# KiCad board UNI_i3.kicad_pcb
title: zensai65_UNI_i3; rev: v3; company: shoonie
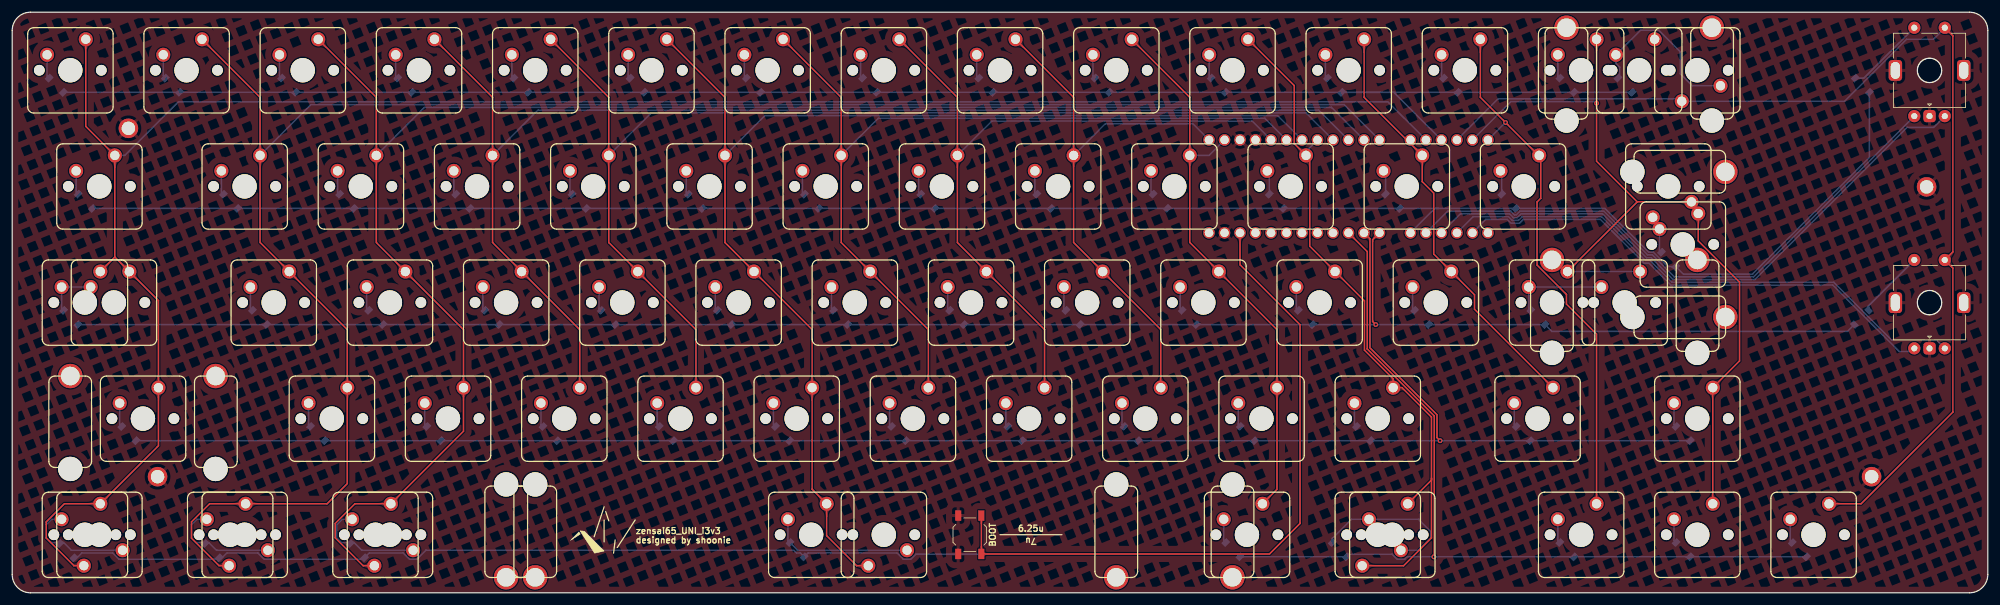
[diagram p0: board, top side]
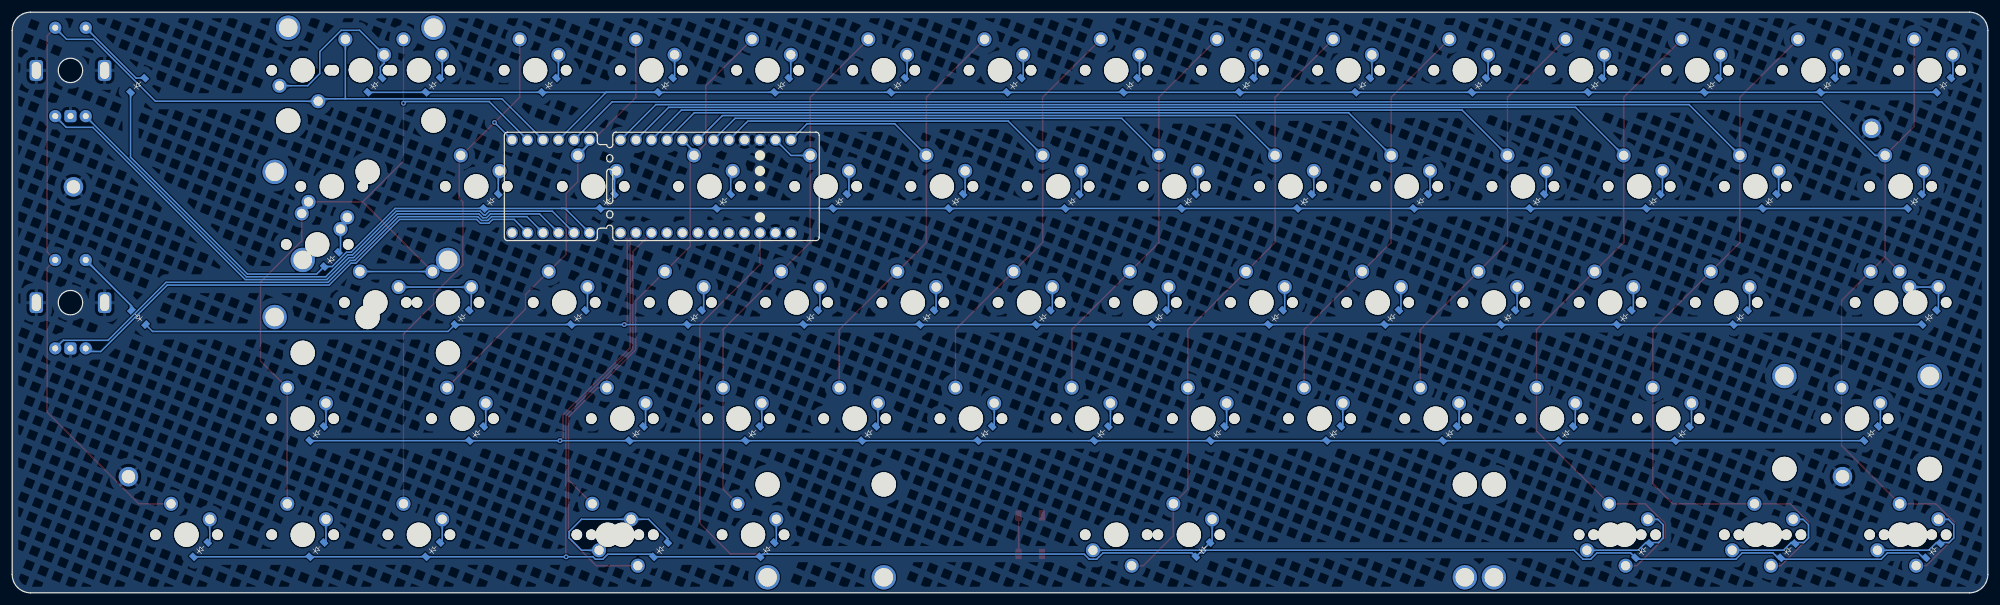
[diagram p1: board, bottom side, seen from below]

Outline 323.85 x 95.25 mm; copper layers: Top, Bottom. Coordinates in mm from the lower left corner of the outline.
Outline path: circle c314.3,85.7 r2 ; circle c314.3,47.6 r2 ; 0,92.25 0,3 arc(0.88,0.88) 3,0 320.85,0 arc(322.97,0.88) 323.85,3 323.85,92.25 arc(322.97,94.37) 320.85,95.25 3,95.25 arc(0.88,94.37) 0,92.25
Stack: Top 0.035mm / dielectric 1.51mm FR4 er 4.5 / Bottom 0.035mm

## Placement (name value [footprint] x y rotation side)
BOOT  SW_Push_45deg  [SW_SPST_TL3342]  156.97 9.53 270 top
D1  D_Small  [D_SOD-123_CLEAN]  7.14 83.34 315 bottom
D2  D_Small  [D_SOD-123_CLEAN]  26.19 83.34 315 bottom
D3  D_Small  [D_SOD-123_CLEAN]  45.24 83.34 315 bottom
D4  D_Small  [D_SOD-123_CLEAN]  64.29 83.34 315 bottom
D5  D_Small  [D_SOD-123_CLEAN]  83.34 83.34 315 bottom
D6  D_Small  [D_SOD-123_CLEAN]  102.39 83.34 315 bottom
D7  D_Small  [D_SOD-123_CLEAN]  121.44 83.34 315 bottom
D8  D_Small  [D_SOD-123_CLEAN]  140.49 83.34 315 bottom
D9  D_Small  [D_SOD-123_CLEAN]  159.54 83.34 315 bottom
D10  D_Small  [D_SOD-123_CLEAN]  178.59 83.34 315 bottom
D11  D_Small  [D_SOD-123_CLEAN]  197.64 83.34 315 bottom
D12  D_Small  [D_SOD-123_CLEAN]  216.69 83.34 315 bottom
D13  D_Small  [D_SOD-123_CLEAN]  235.74 83.34 315 bottom
D14  D_Small  [D_SOD-123_CLEAN]  254.79 83.34 315 bottom
D15  D_Small  [D_SOD-123_CLEAN]  264.32 83.34 315 bottom
D17  D_Small  [D_SOD-123_CLEAN]  11.91 64.29 315 bottom
D18  D_Small  [D_SOD-123_CLEAN]  35.72 64.29 315 bottom
D19  D_Small  [D_SOD-123_CLEAN]  54.77 64.29 315 bottom
D20  D_Small  [D_SOD-123_CLEAN]  73.82 64.29 315 bottom
D21  D_Small  [D_SOD-123_CLEAN]  92.87 64.29 315 bottom
D22  D_Small  [D_SOD-123_CLEAN]  111.92 64.29 315 bottom
D23  D_Small  [D_SOD-123_CLEAN]  130.97 64.29 315 bottom
D24  D_Small  [D_SOD-123_CLEAN]  150.02 64.29 315 bottom
D25  D_Small  [D_SOD-123_CLEAN]  169.07 64.29 315 bottom
D26  D_Small  [D_SOD-123_CLEAN]  188.12 64.29 315 bottom
D27  D_Small  [D_SOD-123_CLEAN]  207.17 64.29 315 bottom
D28  D_Small  [D_SOD-123_CLEAN]  226.22 64.29 315 bottom
D29  D_Small  [D_SOD-123_CLEAN]  245.27 64.29 315 bottom
D31  D_Small  [D_SOD-123_CLEAN]  271.46 54.77 315 bottom
D32  D_Small  [D_SOD-123_CLEAN]  303.21 83.34 315 bottom
D33  D_Small  [D_SOD-123_CLEAN]  9.53 45.24 315 bottom
D35  D_Small  [D_SOD-123_CLEAN]  40.48 45.24 315 bottom
D36  D_Small  [D_SOD-123_CLEAN]  59.53 45.24 315 bottom
D37  D_Small  [D_SOD-123_CLEAN]  78.58 45.24 315 bottom
D38  D_Small  [D_SOD-123_CLEAN]  97.63 45.24 315 bottom
D39  D_Small  [D_SOD-123_CLEAN]  116.68 45.24 315 bottom
D40  D_Small  [D_SOD-123_CLEAN]  135.73 45.24 315 bottom
D41  D_Small  [D_SOD-123_CLEAN]  154.78 45.24 315 bottom
D42  D_Small  [D_SOD-123_CLEAN]  173.83 45.24 315 bottom
D43  D_Small  [D_SOD-123_CLEAN]  192.88 45.24 315 bottom
D44  D_Small  [D_SOD-123_CLEAN]  211.93 45.24 315 bottom
D45  D_Small  [D_SOD-123_CLEAN]  230.98 45.24 315 bottom
D46  D_Small  [D_SOD-123_CLEAN]  250.03 45.24 315 bottom
D48  D_Small  [D_SOD-123_CLEAN]  303.21 45.24 225 bottom
D49  D_Small  [D_SOD-123_CLEAN]  19.05 26.19 315 bottom
D50  D_Small  [D_SOD-123_CLEAN]  50.01 26.19 315 bottom
D51  D_Small  [D_SOD-123_CLEAN]  69.06 26.19 315 bottom
D52  D_Small  [D_SOD-123_CLEAN]  88.11 26.19 315 bottom
D53  D_Small  [D_SOD-123_CLEAN]  107.16 26.19 315 bottom
D54  D_Small  [D_SOD-123_CLEAN]  126.21 26.19 315 bottom
D55  D_Small  [D_SOD-123_CLEAN]  145.26 26.19 315 bottom
D56  D_Small  [D_SOD-123_CLEAN]  164.31 26.19 315 bottom
D57  D_Small  [D_SOD-123_CLEAN]  183.36 26.19 315 bottom
D58  D_Small  [D_SOD-123_CLEAN]  202.41 26.19 315 bottom
D59  D_Small  [D_SOD-123_CLEAN]  221.46 26.19 315 bottom
D60  D_Small  [D_SOD-123_CLEAN]  247.65 26.19 315 bottom
D61  D_Small  [D_SOD-123_CLEAN]  273.84 26.19 315 bottom
D62  D_Small  [D_SOD-123_CLEAN]  8.89 6.98 315 bottom
D64  D_Small  [D_SOD-123_CLEAN]  32.7 6.98 315 bottom
D66  D_Small  [D_SOD-123_CLEAN]  56.52 6.98 315 bottom
D68  D_Small  [D_SOD-123_CLEAN]  128.59 7.14 315 bottom
D70  D_Small  [D_SOD-123_CLEAN]  200.03 7.14 315 bottom
D72  D_Small  [D_SOD-123_CLEAN]  217.49 7.14 315 bottom
D73  D_Small  [D_SOD-123_CLEAN]  254.79 7.14 315 bottom
D74  D_Small  [D_SOD-123_CLEAN]  273.84 7.14 315 bottom
D75  D_Small  [D_SOD-123_CLEAN]  292.89 7.14 315 bottom
H1  MountingHole_Pad  [MountingHole_2.2mm_M2_Pad_MOD]  19.05 76.2 0 top
H2  MountingHole_Pad  [MountingHole_2.2mm_M2_Pad_MOD]  23.83 19.05 0 top
H3  MountingHole_Pad  [MountingHole_2.2mm_M2_Pad_MOD]  313.81 66.6 0 top
H4  MountingHole_Pad  [MountingHole_2.2mm_M2_Pad_MOD]  304.8 19.05 0 top
REF**  -  [bottom_row_guide]  167.01 9.53 0 top
REF**#2  -  [info]  102.11 9.4 0 top
S15  MX_stab  [STAB_MX_P_2u]  266.7 85.72 0 top
S31  MX_stab  [STAB_MX_P_2u]  273.84 57.15 270 top
S47  MX_stab  [STAB_MX_P_2u]  264.32 47.62 0 top
S49  MX_stab  [STAB_MX_P_2u]  21.43 28.58 0 top
S68  MX_stab  [STAB_MX_P_6.25u]  130.97 9.53 180 top
S69  MX_stab  [STAB_MX_P_7u]  142.88 9.53 180 top
SW1  MX_SW_solder  [SW_MX_1u]  9.53 85.72 0 top
SW2  MX_SW_solder  [SW_MX_1u]  28.58 85.72 0 top
SW3  MX_SW_solder  [SW_MX_1u]  47.63 85.72 0 top
SW4  MX_SW_solder  [SW_MX_1u]  66.68 85.72 0 top
SW5  MX_SW_solder  [SW_MX_1u]  85.73 85.72 0 top
SW6  MX_SW_solder  [SW_MX_1u]  104.78 85.72 0 top
SW7  MX_SW_solder  [SW_MX_1u]  123.83 85.72 0 top
SW8  MX_SW_solder  [SW_MX_1u]  142.88 85.72 0 top
SW9  MX_SW_solder  [SW_MX_1u]  161.93 85.72 0 top
SW10  MX_SW_solder  [SW_MX_1u]  180.98 85.72 0 top
SW11  MX_SW_solder  [SW_MX_1u]  200.03 85.72 0 top
SW12  MX_SW_solder  [SW_MX_1u]  219.08 85.72 0 top
SW13  MX_SW_solder  [SW_MX_1u]  238.13 85.72 0 top
SW14  MX_SW_solder  [SW_MX_1u]  257.18 85.72 0 top
SW15  MX_SW_solder  [SW_MX_1u]  266.7 85.72 0 top
SW16  MX_SW_solder  [SW_MX_1u]  276.23 85.72 180 top
SW17  MX_SW_solder  [SW_MX_1u]  14.29 66.67 0 top
SW18  MX_SW_solder  [SW_MX_1u]  38.1 66.67 0 top
SW19  MX_SW_solder  [SW_MX_1u]  57.15 66.67 0 top
SW20  MX_SW_solder  [SW_MX_1u]  76.2 66.67 0 top
SW21  MX_SW_solder  [SW_MX_1u]  95.25 66.67 0 top
SW22  MX_SW_solder  [SW_MX_1u]  114.3 66.67 0 top
SW23  MX_SW_solder  [SW_MX_1u]  133.35 66.67 0 top
SW24  MX_SW_solder  [SW_MX_1u]  152.4 66.67 0 top
SW25  MX_SW_solder  [SW_MX_1u]  171.45 66.67 0 top
SW26  MX_SW_solder  [SW_MX_1u]  190.5 66.67 0 top
SW27  MX_SW_solder  [SW_MX_1u]  209.55 66.67 0 top
SW28  MX_SW_solder  [SW_MX_1u]  228.6 66.67 0 top
SW29  MX_SW_solder  [SW_MX_1u]  247.78 66.67 0 top
SW30  MX_SW_solder  [SW_MX_1u]  271.46 66.67 180 top
SW31  MX_SW_solder  [SW_MX_1u]  273.84 57.15 0 top
SW32  RotaryEncoder_Switch  [ROT_Alps_EC11E-Switch]  314.3 85.7 0 top
SW33  MX_SW_solder  [SW_MX_1u]  11.91 47.62 0 top
SW34  MX_SW_solder  [SW_MX_1u]  16.67 47.62 0 top
SW35  MX_SW_solder  [SW_MX_1u]  42.86 47.62 0 top
SW36  MX_SW_solder  [SW_MX_1u]  61.91 47.62 0 top
SW37  MX_SW_solder  [SW_MX_1u]  80.96 47.62 0 top
SW38  MX_SW_solder  [SW_MX_1u]  100.01 47.62 0 top
SW39  MX_SW_solder  [SW_MX_1u]  119.06 47.62 0 top
SW40  MX_SW_solder  [SW_MX_1u]  138.11 47.62 0 top
SW41  MX_SW_solder  [SW_MX_1u]  157.16 47.62 0 top
SW42  MX_SW_solder  [SW_MX_1u]  176.21 47.62 0 top
SW43  MX_SW_solder  [SW_MX_1u]  195.26 47.62 0 top
SW44  MX_SW_solder  [SW_MX_1u]  214.31 47.62 0 top
SW45  MX_SW_solder  [SW_MX_1u]  233.36 47.62 0 top
SW46  MX_SW_solder  [SW_MX_1u]  252.41 47.62 0 top
SW47  MX_SW_solder  [SW_MX_1u]  264.32 47.62 0 top
SW48  RotaryEncoder_Switch  [ROT_Alps_EC11E-Switch]  314.3 47.6 0 top
SW49  MX_SW_solder  [SW_MX_1u]  21.43 28.58 0 top
SW50  MX_SW_solder  [SW_MX_1u]  52.39 28.58 0 top
SW51  MX_SW_solder  [SW_MX_1u]  71.44 28.58 0 top
SW52  MX_SW_solder  [SW_MX_1u]  90.49 28.58 0 top
SW53  MX_SW_solder  [SW_MX_1u]  109.54 28.58 0 top
SW54  MX_SW_solder  [SW_MX_1u]  128.59 28.58 0 top
SW55  MX_SW_solder  [SW_MX_1u]  147.64 28.58 0 top
SW56  MX_SW_solder  [SW_MX_1u]  166.69 28.58 0 top
SW57  MX_SW_solder  [SW_MX_1u]  185.74 28.58 0 top
SW58  MX_SW_solder  [SW_MX_1u]  204.79 28.58 0 top
SW59  MX_SW_solder  [SW_MX_1u]  223.84 28.58 0 top
SW60  MX_SW_solder  [SW_MX_1u]  250.03 28.58 0 top
SW61  MX_SW_solder  [SW_MX_1u]  276.23 28.58 0 top
SW62  MX_SW_solder  [SW_MX_1u]  11.91 9.53 0 top
SW63  MX_SW_solder  [SW_MX_1u]  14.29 9.53 180 top
SW64  MX_SW_solder  [SW_MX_1u]  35.72 9.53 0 top
SW65  MX_SW_solder  [SW_MX_1u]  38.1 9.53 180 top
SW66  MX_SW_solder  [SW_MX_1u]  59.53 9.53 0 top
SW67  MX_SW_solder  [SW_MX_1u]  61.91 9.53 180 top
SW68  MX_SW_solder  [SW_MX_1u]  130.97 9.53 0 top
SW69  MX_SW_solder  [SW_MX_1u]  142.88 9.53 180 top
SW70  MX_SW_solder  [SW_MX_1u]  202.41 9.53 0 top
SW71  MX_SW_solder  [SW_MX_1u]  223.84 9.53 180 top
SW72  MX_SW_solder  [SW_MX_1u]  226.22 9.53 0 top
SW73  MX_SW_solder  [SW_MX_1u]  257.18 9.53 0 top
SW74  MX_SW_solder  [SW_MX_1u]  276.23 9.53 0 top
SW75  MX_SW_solder  [SW_MX_1u]  295.28 9.53 0 top
U1  Bonsai-C4-extended  [Bonsai_C4_extended_THT]  209.55 66.67 270 bottom

## Library data of the parts
BOOT SW1-SW31 SW33-SW47 SW49-SW75 = -: Description: Push button switch, normally open, two pins, 45° tilted
D1-D15 D17-D29 D31-D33 D35-D46 D48-D62 D64 D66 D68 D70 D72-D75 = -: Description: Diode, small symbol; Sim.Device: D; Sim.Pins: 1=K 2=A
H1-H4 = -: Description: Mounting Hole with connection
S15 S31 S47 S49 S68 S69 = -: Description: Cherry MX-style stabilizer
SW32 SW48 = -: Description: Rotary encoder, dual channel, incremental quadrate outputs, with switch

## Footprints (pads in the part's own frame, mm; a bottom-side part is the same pattern mirrored in y, then rotated)
Bonsai_C4_extended_THT
  round 1.89 hole 1.39: 1(-7.62,13.36) 2(-7.62,10.82) 3(-7.62,8.28) 4(-7.62,5.74) 5(-7.62,3.2) 6(-7.62,0.66) 7(-7.62,-1.88) 8(-7.62,-4.42) 9(-7.62,-6.96) 10(-7.62,-9.5) 11(-7.62,-12.04) 12(-7.62,-14.58) 17(7.62,13.36) 18(7.62,10.82) 19(7.62,8.28) 20(7.62,5.74) 21(7.62,3.2) 22(7.62,0.66) 23(7.62,-1.88) 24(7.62,-6.96) 25(7.62,-4.42) 26(7.62,-9.5) 27(7.62,-12.04) 28(7.62,-14.58) 29(-7.62,-19.66) 30(-7.62,-22.2) 31(-7.62,-24.74) 32(-7.62,-27.28) 33(-7.62,-29.82) 34(-7.62,-32.36) 35(7.62,-19.66) 36(7.62,-22.2) 37(7.62,-24.74) 38(7.62,-27.28) 39(7.62,-29.82) 40(7.62,-32.36)
D_SOD-123_CLEAN
  rect 0.9x1.2 smd: 1(1.75,0) 2(-1.55,0)
MountingHole_2.2mm_M2_Pad_MOD
  round 3.2 hole 2.2: 1(0,0)
ROT_Alps_EC11E-Switch
  round 2 hole 1: A(-2.5,-7.5) B(2.5,-7.5) S1(2.5,7) S2(-2.5,7)
  rrect 2x2 hole 1: C(0,-7.5)
  rrect 2.2x3.4 hole 1.5x2.8: MP(-5.6,0) MP(5.6,0)
STAB_MX_P_2u
  round 4 hole 3.048: (-11.906,6.985) (11.906,6.985)
  round 3.988 hole 3.988 unplated: (-11.906,-8.255) (11.906,-8.255)
STAB_MX_P_6.25u
  round 4 hole 3.048: (-50.006,6.985) (50.006,6.985)
  round 3.988 hole 3.988 unplated: (-50.006,-8.255) (50.006,-8.255)
STAB_MX_P_7u
  round 4 hole 3.048: (-57.15,6.985) (57.15,6.985)
  round 3.988 hole 3.988 unplated: (-57.15,-8.255) (57.15,-8.255)
SW_MX_1u
  round 1.75 hole 1.75 unplated: (-5.08,0) (5.08,0)
  round 3.988 hole 3.988 unplated: (0,0)
  round 2.3 hole 1.524: 1(-3.81,2.54) 2(2.54,5.08)
SW_SPST_TL3342
  rect 1.7x1 smd: 1(-3.15,1.9) 1(3.15,1.9) 2(-3.15,-1.9) 2(3.15,-1.9)

## Nets
GND: BOOT.2 H1.1 H2.1 H3.1 H4.1 SW32.C SW32.MP SW48.C SW48.MP U1.3 U1.4 U1.18
COL0: SW1.2 SW17.2 SW33.2 SW34.2 SW49.2 SW62.2 SW63.2 U1.30
COL1: SW2.2 SW18.2 SW35.2 SW50.2 SW64.2 SW65.2 U1.12
COL2: SW3.2 SW19.2 SW36.2 SW51.2 SW66.2 SW67.2 U1.11
COL3: SW4.2 SW20.2 SW37.2 SW52.2 U1.10
COL4: SW5.2 SW21.2 SW38.2 SW53.2 U1.9
COL5: SW6.2 SW22.2 SW39.2 SW54.2 SW68.2 SW69.2 U1.7
COL6: SW7.2 SW23.2 SW40.2 SW55.2 U1.6
COL7: SW8.2 SW24.2 SW41.2 SW56.2 U1.5
COL8: SW9.2 SW25.2 SW42.2 SW57.2 U1.1
COL9: SW10.2 SW26.2 SW43.2 SW58.2 SW70.2 U1.2
COL10: SW11.2 SW27.2 SW44.2 SW59.2 SW71.2 SW72.2 U1.8
COL11: SW12.2 SW28.2 SW45.2 SW60.2 U1.29
COL12: SW13.2 SW29.2 SW73.2 U1.34
COL13: SW14.2 SW30.1 SW31.2 SW46.2 SW47.2 SW61.2 SW74.2 U1.33
COL14: SW15.2 SW16.2 SW32.S1 SW48.S1 SW75.2 U1.32
ROW0: D1.1 D2.1 D3.1 D4.1 D5.1 D6.1 D7.1 D8.1 D9.1 D10.1 D11.1 D12.1 D13.1 D14.1 D15.1 U1.31
ROW1: D17.1 D18.1 D19.1 D20.1 D21.1 D22.1 D23.1 D24.1 D25.1 D26.1 D27.1 D28.1 D29.1 D31.1 D32.1 U1.35
ROW2: D33.1 D35.1 D36.1 D37.1 D38.1 D39.1 D40.1 D41.1 D42.1 D43.1 D44.1 D45.1 D46.1 D48.1 U1.28
ROW3: D49.1 D50.1 D51.1 D52.1 D53.1 D54.1 D55.1 D56.1 D57.1 D58.1 D59.1 D60.1 D61.1 U1.27
ROW4: D62.1 D64.1 D66.1 D68.1 D70.1 D72.1 D73.1 D74.1 D75.1 U1.26
SW32A: SW32.A U1.36
SW32B: SW32.B U1.37
SW48A: SW48.A U1.39
SW48B: SW48.B U1.38
Net-(D1-A): D1.2 SW1.1
Net-(D2-A): D2.2 SW2.1
Net-(D3-A): D3.2 SW3.1
Net-(D4-A): D4.2 SW4.1
Net-(D5-A): D5.2 SW5.1
Net-(D6-A): D6.2 SW6.1
Net-(D7-A): D7.2 SW7.1
Net-(D8-A): D8.2 SW8.1
Net-(D9-A): D9.2 SW9.1
Net-(D10-A): D10.2 SW10.1
Net-(D11-A): D11.2 SW11.1
Net-(D12-A): D12.2 SW12.1
Net-(D13-A): D13.2 SW13.1
Net-(D14-A): D14.2 SW14.1
Net-(D15-A): D15.2 SW15.1 SW16.1
Net-(D17-A): D17.2 SW17.1
Net-(D18-A): D18.2 SW18.1
Net-(D19-A): D19.2 SW19.1
Net-(D20-A): D20.2 SW20.1
Net-(D21-A): D21.2 SW21.1
Net-(D22-A): D22.2 SW22.1
Net-(D23-A): D23.2 SW23.1
Net-(D24-A): D24.2 SW24.1
Net-(D25-A): D25.2 SW25.1
Net-(D26-A): D26.2 SW26.1
Net-(D27-A): D27.2 SW27.1
Net-(D28-A): D28.2 SW28.1
Net-(D29-A): D29.2 SW29.1
Net-(D30-A): D31.2 SW30.2 SW31.1
Net-(D32-A): D32.2 SW32.S2
Net-(D33-A): D33.2 SW33.1 SW34.1
Net-(D35-A): D35.2 SW35.1
Net-(D36-A): D36.2 SW36.1
Net-(D37-A): D37.2 SW37.1
Net-(D38-A): D38.2 SW38.1
Net-(D39-A): D39.2 SW39.1
Net-(D40-A): D40.2 SW40.1
Net-(D41-A): D41.2 SW41.1
Net-(D42-A): D42.2 SW42.1
Net-(D43-A): D43.2 SW43.1
Net-(D44-A): D44.2 SW44.1
Net-(D45-A): D45.2 SW45.1
Net-(D46-A): D46.2 SW46.1 SW47.1
Net-(D48-A): D48.2 SW48.S2
Net-(D49-A): D49.2 SW49.1
Net-(D50-A): D50.2 SW50.1
Net-(D51-A): D51.2 SW51.1
Net-(D52-A): D52.2 SW52.1
Net-(D53-A): D53.2 SW53.1
Net-(D54-A): D54.2 SW54.1
Net-(D55-A): D55.2 SW55.1
Net-(D56-A): D56.2 SW56.1
Net-(D57-A): D57.2 SW57.1
Net-(D58-A): D58.2 SW58.1
Net-(D59-A): D59.2 SW59.1
Net-(D60-A): D60.2 SW60.1
Net-(D61-A): D61.2 SW61.1
Net-(D62-A): D62.2 SW62.1 SW63.1
Net-(D64-A): D64.2 SW64.1 SW65.1
Net-(D66-A): D66.2 SW66.1 SW67.1
Net-(D68-A): D68.2 SW68.1 SW69.1
Net-(D70-A): D70.2 SW70.1
Net-(D71-A): D72.2 SW71.1 SW72.1
Net-(D73-A): D73.2 SW73.1
Net-(D74-A): D74.2 SW74.1
Net-(D75-A): D75.2 SW75.1
Net-(U1-DFU): BOOT.1 U1.19

Pads without a net: U1 17 20 21 22 23 24 25 40

## Via types
v1: diameter 0.8, hole 0.4, Top to Bottom, 5 vias

## Routing (per net, layer and track width the routed paths; a pad name or vN(x,y) marks a point on that pad's centre or on a via; arc(x,y) is an arc through that point)
COL0: length 330.4
  Top w0.25: 16.83,55.09 SW34.2 23.97,47.94 SW49.2 23.97,24.13 SW62.2 8.55,14.61 5.58,11.63 5.58,8.99 10.12,4.44 SW63.2 ; 16.83,55.09 SW33.2 ; 16.83,55.09 16.83,71.75 12.07,76.52 12.07,90.81
  Bottom w0.25: U1.30 225.51,80.54 27.24,80.54 18.45,71.75 16.83,71.75
COL1: length 310.9
  Top w0.25: SW2.2 40.64,81.28 40.64,57.47 SW35.2 54.93,43.18 SW50.2 54.93,17.92 51.62,14.61 SW64.2 32.36,14.61 29.39,11.63 29.39,8.97 33.91,4.44 SW65.2
  Bottom w0.25: U1.12 218.34,80.09 48.97,80.09 40.64,71.75
COL2: length 279.5
  Top w0.25: SW3.2 59.69,81.28 59.69,57.47 SW36.2 73.98,43.18 SW51.2 73.98,26.51 SW66.2 56.18,14.61 52.96,11.39 52.96,9.02 57.53,4.44 SW67.2
  Bottom w0.25: U1.11 216.25,79.64 67.57,79.64 59.69,71.75
COL3: length 212.4
  Top w0.25: SW52.2 93.03,43.18 SW37.2 78.74,57.47 78.74,81.28 SW4.2
  Bottom w0.25: 78.74,71.75 86.17,79.19 214.16,79.19 U1.10
COL4: length 190.5
  Top w0.25: SW53.2 112.08,43.18 SW38.2 97.79,57.47 97.79,81.28 SW5.2
  Bottom w0.25: U1.9 212.07,78.74 104.77,78.74 97.79,71.75
COL5: length 200.1
  Top w0.25: SW6.2 116.84,81.28 116.84,57.47 SW39.2 131.13,43.18 SW54.2 131.13,16.99 SW68.2 133.51,9.37 138.43,4.44 SW69.2
  Bottom w0.25: 116.84,71.75 123.37,78.29 207.44,78.29 U1.7
COL6: length 144
  Top w0.25: SW55.2 150.18,43.18 SW40.2 135.89,57.47 135.89,81.28 126.37,90.81
  Bottom w0.25: U1.6 205.35,77.84 141.97,77.84 135.89,71.75
COL7: length 122
  Top w0.25: SW8.2 154.94,81.28 154.94,57.47 SW41.2 169.23,43.18 SW56.2
  Bottom w0.25: U1.5 203.26,77.39 160.57,77.39 154.94,71.75
COL8: length 92.5
  Top w0.25: SW57.2 188.28,43.18 SW42.2 173.99,57.47 173.99,81.28 SW9.2
  Bottom w0.25: U1.1 193.55,76.94 179.17,76.94 173.99,71.75
COL9: length 93.8
  Top w0.25: SW10.2 193.04,81.28 193.04,57.47 SW43.2 207.33,43.18 SW58.2 207.33,16.99 SW70.2
  Bottom w0.25: 193.04,71.75 196.19,71.75 U1.2
COL10: length 115.3
  Top w0.25: SW72.2 232.65,18.5 232.65,18.8 ; SW44.2 212.7,56.86 212.7,71.15 ; 232.65,18.8 232.65,28.83 227.83,33.66 SW59.2 226.38,35.1 221.66,39.82 221.66,47.9 217.33,52.23 ; 232.65,18.8 232.65,9.01 228.09,4.44 SW71.2 ; 212.09,71.75 210.16,73.69 210.16,83.21 SW11.2
  Bottom w0.25: U1.8 212.09,72.42
COL11: length 75.4
  Top w0.25: SW60.2 239.71,46.51 239.71,48.9 SW45.2 233.02,55.59 233.02,65.57 231.14,67.45 231.14,71.75 221.62,81.28 221.62,90.81
  Bottom w0.25: 229.21,73.69 231.14,71.75 229.21,73.69
COL12: length 87.4
  Top w0.25: SW13.2 240.67,81.28 v1(244.79,77.15) 250.19,71.75 ; 259.72,14.61 259.72,42.44 254.78,47.37 254.78,48.95 249.96,53.77 249.96,64.11 250.57,64.72 250.57,70.61
  Bottom w0.25: 241.91,74.3 244.77,77.15 v1(244.79,77.15)
COL13: length 141.7
  Top w0.25: SW31.2 276.38,57.74 283.15,50.97 283.15,38.04 278.77,33.66 278.77,14.61 ; 266.38,64.14 259.72,70.8 259.72,90.81 ; 266.38,64.14 SW46.2 ; 266.38,64.14 SW30.1
  Bottom w0.25: 239.37,74.3 245.66,80.59 259.44,80.59 v1(259.72,80.31) ; SW47.2 SW46.2
COL14: length 187.7
  Top w0.25: SW32.S1 318.12,91.37 318.12,55.93 SW48.S1 318.12,53.28 318.12,29.65 303.08,14.61 SW75.2
  Bottom w0.25: 269.24,81.04 243.57,81.04 U1.32 ; 269.24,81.04 SW15.2 ; 269.24,81.04 273.29,81.04 ; 316.31,92.19 314.93,90.81 310.54,90.81 300.38,80.64 SW16.2
ROW0: length 276.8
  Bottom w0.25: D12.1 D13.1 D14.1 D15.1 ; D12.1 D11.1 D10.1 D9.1 D8.1 D7.1 D6.1 D5.1 D4.1 D3.1 D2.1 D1.1 ; D12.1 226.48,82.11 U1.31
ROW1: length 320.6
  Bottom w0.25: 233.81,63.06 D29.1 261.09,63.06 268.27,55.88 269.04,55.88 271.39,53.53 D31.1 273.95,52.28 285.28,52.28 304.45,71.46 D32.1 ; 233.81,63.06 D28.1 D27.1 D26.1 D25.1 D24.1 D23.1 D22.1 D21.1 D20.1 D19.1 D18.1 D17.1 ; 233.81,63.06 233.21,63.06 U1.35
ROW2: length 307.9
  Top w0.25: v1(223.52,44.01) 223.01,44.51 223.01,57.94 U1.28
  Bottom w0.25: D48.1 300.84,42.87 252.4,42.87 D46.1 D45.1 v1(223.52,44.01) D44.1 D43.1 D42.1 D41.1 D40.1 D39.1 D38.1 D37.1 D36.1 D35.1 D33.1
ROW3: length 294.1
  Top w0.25: U1.27 222.56,58.08 222.56,40.19 233.55,29.2 233.55,25.46 v1(234.06,24.96)
  Bottom w0.25: D61.1 D60.1 D59.1 D58.1 D57.1 D56.1 D55.1 D54.1 D53.1 D52.1 D51.1 D50.1 D49.1
ROW4: length 348.4
  Top w0.25: v1(233.05,5.91) 233.1,5.96 233.1,29.02 222.11,40.01 222.11,55.99 U1.26
  Bottom w0.25: D75.1 D74.1 D73.1 v1(233.05,5.91) 228.65,5.91 228.26,5.51 227.04,5.51 226.22,6.33 219.15,6.33 D72.1 D70.1 200.82,6.35 148.14,6.35 147.3,5.51 146.07,5.51 145.05,6.53 130.45,6.53 D68.1 129.2,6.53 128.56,6.53 128.11,6.98 67.81,6.98 66.33,5.51 65.11,5.51 64.09,6.53 58.54,6.53 57.51,5.51 41.3,5.51 40.27,6.53 35.2,6.53 34.18,5.51 17.49,5.51 16.46,6.53 11.39,6.53 10.27,5.42
SW32A: length 96.7
  Bottom w0.25: U1.36 235.3,62.61 245.65,62.61 246.27,61.99 246.53,61.99 247.15,62.61 260.9,62.61 268.08,55.43 268.86,55.43 272.45,51.84 285.46,51.84 311.31,77.69
SW32B: length 99.2
  Bottom w0.25: U1.37 237.39,62.16 245.46,62.16 246.08,61.54 246.72,61.54 247.34,62.16 260.72,62.16 267.89,54.98 268.67,54.98 272.27,51.38 285.65,51.38 310.63,76.36 314.99,76.36 316.31,77.69
SW48A: length 82.3
  Bottom w0.25: U1.39 241.57,61.26 245.09,61.26 245.71,60.64 247.09,60.64 247.71,61.26 260.34,61.26 267.52,54.08 268.3,54.08 271.89,50.48 298.43,50.48 309.33,39.59 311.31,39.59
SW48B: length 90.5
  Bottom w0.25: U1.38 239.48,61.71 245.28,61.71 245.89,61.09 246.91,61.09 247.52,61.71 260.53,61.71 267.71,54.53 268.48,54.53 272.08,50.94 298.62,50.94 308.13,41.43 315.47,41.43 SW48.B
Net-(D1-A): length 4
  Bottom w0.25: D1.2 5.72,84.77 SW1.1
Net-(D2-A): length 4
  Bottom w0.25: SW2.1 24.77,84.77 D2.2
Net-(D3-A): length 4
  Bottom w0.25: D3.2 43.82,84.77 SW3.1
Net-(D4-A): length 4
  Bottom w0.25: SW4.1 62.87,84.77 D4.2
Net-(D5-A): length 4
  Bottom w0.25: D5.2 81.92,84.77 81.92,88.27
Net-(D6-A): length 4
  Bottom w0.25: D6.2 100.97,84.77 SW6.1
Net-(D7-A): length 4
  Bottom w0.25: D7.2 120.02,84.77 SW7.1
Net-(D8-A): length 4
  Bottom w0.25: SW8.1 139.07,84.77 D8.2
Net-(D9-A): length 4
  Bottom w0.25: D9.2 158.12,84.77 SW9.1
Net-(D10-A): length 4
  Bottom w0.25: SW10.1 177.17,84.77 D10.2
Net-(D11-A): length 4
  Bottom w0.25: D11.2 196.22,84.77 SW11.1
Net-(D12-A): length 4
  Bottom w0.25: SW12.1 215.27,84.77 D12.2
Net-(D13-A): length 4
  Bottom w0.25: SW13.1 234.32,84.77 D13.2
Net-(D14-A): length 4
  Bottom w0.25: D14.2 253.37,84.77 SW14.1
Net-(D15-A): length 28.5
  Bottom w0.25: 280.04,83.19 275.41,83.19 273.43,85.17 273.43,88.77 269.92,92.28 266.91,92.28 SW15.1 262.89,86.86 263.51,86.24 263.51,84.72
Net-(D17-A): length 4
  Bottom w0.25: D17.2 10.48,65.72 SW17.1
Net-(D18-A): length 4
  Bottom w0.25: D18.2 34.29,65.72 SW18.1
Net-(D19-A): length 4
  Bottom w0.25: SW19.1 53.34,65.72 D19.2
Net-(D20-A): length 4
  Bottom w0.25: SW20.1 72.39,65.72 D20.2
Net-(D21-A): length 4
  Bottom w0.25: D21.2 91.44,65.72 SW21.1
Net-(D22-A): length 4
  Bottom w0.25: SW22.1 110.49,65.72 D22.2
Net-(D23-A): length 4
  Bottom w0.25: D23.2 129.54,65.72 SW23.1
Net-(D24-A): length 4
  Bottom w0.25: SW24.1 148.59,65.72 D24.2
Net-(D25-A): length 4
  Bottom w0.25: SW25.1 167.64,65.72 D25.2
Net-(D26-A): length 4
  Bottom w0.25: SW26.1 186.69,65.72 D26.2
Net-(D27-A): length 3.5
  Bottom w0.25: D27.2 206.07,68.88
Net-(D28-A): length 3.5
  Bottom w0.25: D28.2 225.12,68.88
Net-(D29-A): length 3.5
  Bottom w0.25: D29.2 244.17,68.88
Net-(D30-A): length 4
  Bottom w0.25: SW31.1 270.03,56.2 D31.2
Net-(D32-A): length 12.4
  Bottom w0.25: D32.2 303.54,84.44 311.28,92.19
Net-(D33-A): length 8.7
  Bottom w0.25: D33.2 8.1,46.67 SW33.1 SW34.1
Net-(D35-A): length 4
  Bottom w0.25: D35.2 39.05,46.67 SW35.1
Net-(D36-A): length 4
  Bottom w0.25: SW36.1 58.1,46.67 D36.2
Net-(D37-A): length 4
  Bottom w0.25: SW37.1 77.15,46.67 D37.2
Net-(D38-A): length 4
  Bottom w0.25: SW38.1 96.2,46.67 D38.2
Net-(D39-A): length 4
  Bottom w0.25: D39.2 115.25,46.67 SW39.1
Net-(D40-A): length 4
  Bottom w0.25: SW40.1 134.3,46.67 D40.2
Net-(D41-A): length 4
  Bottom w0.25: SW41.1 153.35,46.67 D41.2
Net-(D42-A): length 4
  Bottom w0.25: SW42.1 172.4,46.67 D42.2
Net-(D43-A): length 4
  Bottom w0.25: SW43.1 191.45,46.67 D43.2
Net-(D44-A): length 4
  Bottom w0.25: SW44.1 210.5,46.67 D44.2
Net-(D45-A): length 4
  Bottom w0.25: SW45.1 229.55,46.67 D45.2
Net-(D46-A): length 15.9
  Bottom w0.25: D46.2 248.6,46.67 SW46.1 SW47.1
Net-(D48-A): length 22
  Bottom w0.25: SW48.S2 304.31,47.11 D48.2 304.31,47.08 311.31,54.09
Net-(D49-A): length 4
  Bottom w0.25: 17.62,31.11 17.62,27.62 D49.2
Net-(D50-A): length 4
  Bottom w0.25: 48.58,31.11 48.58,27.62 D50.2
Net-(D51-A): length 4
  Bottom w0.25: D51.2 67.63,27.62 67.63,31.11
Net-(D52-A): length 4
  Bottom w0.25: 86.68,31.11 86.68,27.62 D52.2
Net-(D53-A): length 4
  Bottom w0.25: D53.2 105.73,27.62 105.73,31.11
Net-(D54-A): length 4
  Bottom w0.25: D54.2 124.78,27.62 124.78,31.11
Net-(D55-A): length 4
  Bottom w0.25: 143.83,31.11 143.83,27.62 D55.2
Net-(D56-A): length 4
  Bottom w0.25: 162.88,31.11 162.88,27.62 D56.2
Net-(D57-A): length 4
  Bottom w0.25: 181.93,31.11 181.93,27.62 D57.2
Net-(D58-A): length 4
  Bottom w0.25: D58.2 200.98,27.62 200.98,31.11
Net-(D59-A): length 4
  Bottom w0.25: D59.2 220.03,27.62 220.03,31.11
Net-(D60-A): length 4
  Bottom w0.25: 246.22,31.11 246.22,27.62 D60.2
Net-(D61-A): length 4
  Bottom w0.25: 272.42,31.11 272.42,27.62 D61.2
Net-(D62-A): length 18.4
  Bottom w0.25: SW62.1 6.47,12.06 5.58,11.17 5.58,9.01 6.34,8.24 8.43,8.24 9.68,6.98 SW63.1
Net-(D64-A): length 18.4
  Bottom w0.25: SW64.1 30.28,12.06 29.39,11.17 29.39,9.01 30.16,8.24 32.24,8.24 33.5,6.98 SW65.1
Net-(D66-A): length 18.4
  Bottom w0.25: SW67.1 57.31,6.98 56.05,8.24 53.97,8.24 53.2,9.01 53.2,11.17 54.09,12.06 SW66.1
Net-(D68-A): length 23.7
  Bottom w0.25: SW69.1 128.75,6.98 D68.2 127.16,8.57 SW68.1
Net-(D70-A): length 4
  Bottom w0.25: SW70.1 198.6,8.57 D70.2
Net-(D71-A): length 25.8
  Bottom w0.25: D72.2 216.39,8.93 219.53,12.06 SW72.1 230.53,12.06 232.55,10.04 232.55,9.01 230.53,6.98 SW71.1
Net-(D73-A): length 4
  Bottom w0.25: D73.2 253.37,8.57 SW73.1
Net-(D74-A): length 4
  Bottom w0.25: SW74.1 272.42,8.57 D74.2
Net-(D75-A): length 4
  Bottom w0.25: D75.2 291.47,8.57 SW75.1
Net-(U1-DFU): length 112.4
  Top w0.25: 158.87,12.67 BOOT.1 206.1,6.38 211.12,11.39 211.12,43.97 201.27,53.82 U1.19

## Copper pours and planes (outline as drawn; the poured copper is in the pictures)
GND on Top: -29.46,138.43 -29.46,-120.65 393.45,-120.65 393.45,139.7
GND on Bottom: 391.79,-122.08 -32.39,-122.08 -31.12,140.97 393.06,140.97

Small or netless copper shapes (teardrops, artwork), in the pictures only: 120 on Top, 321 on Bottom
